# KiCad board Processor Board.kicad_pcb
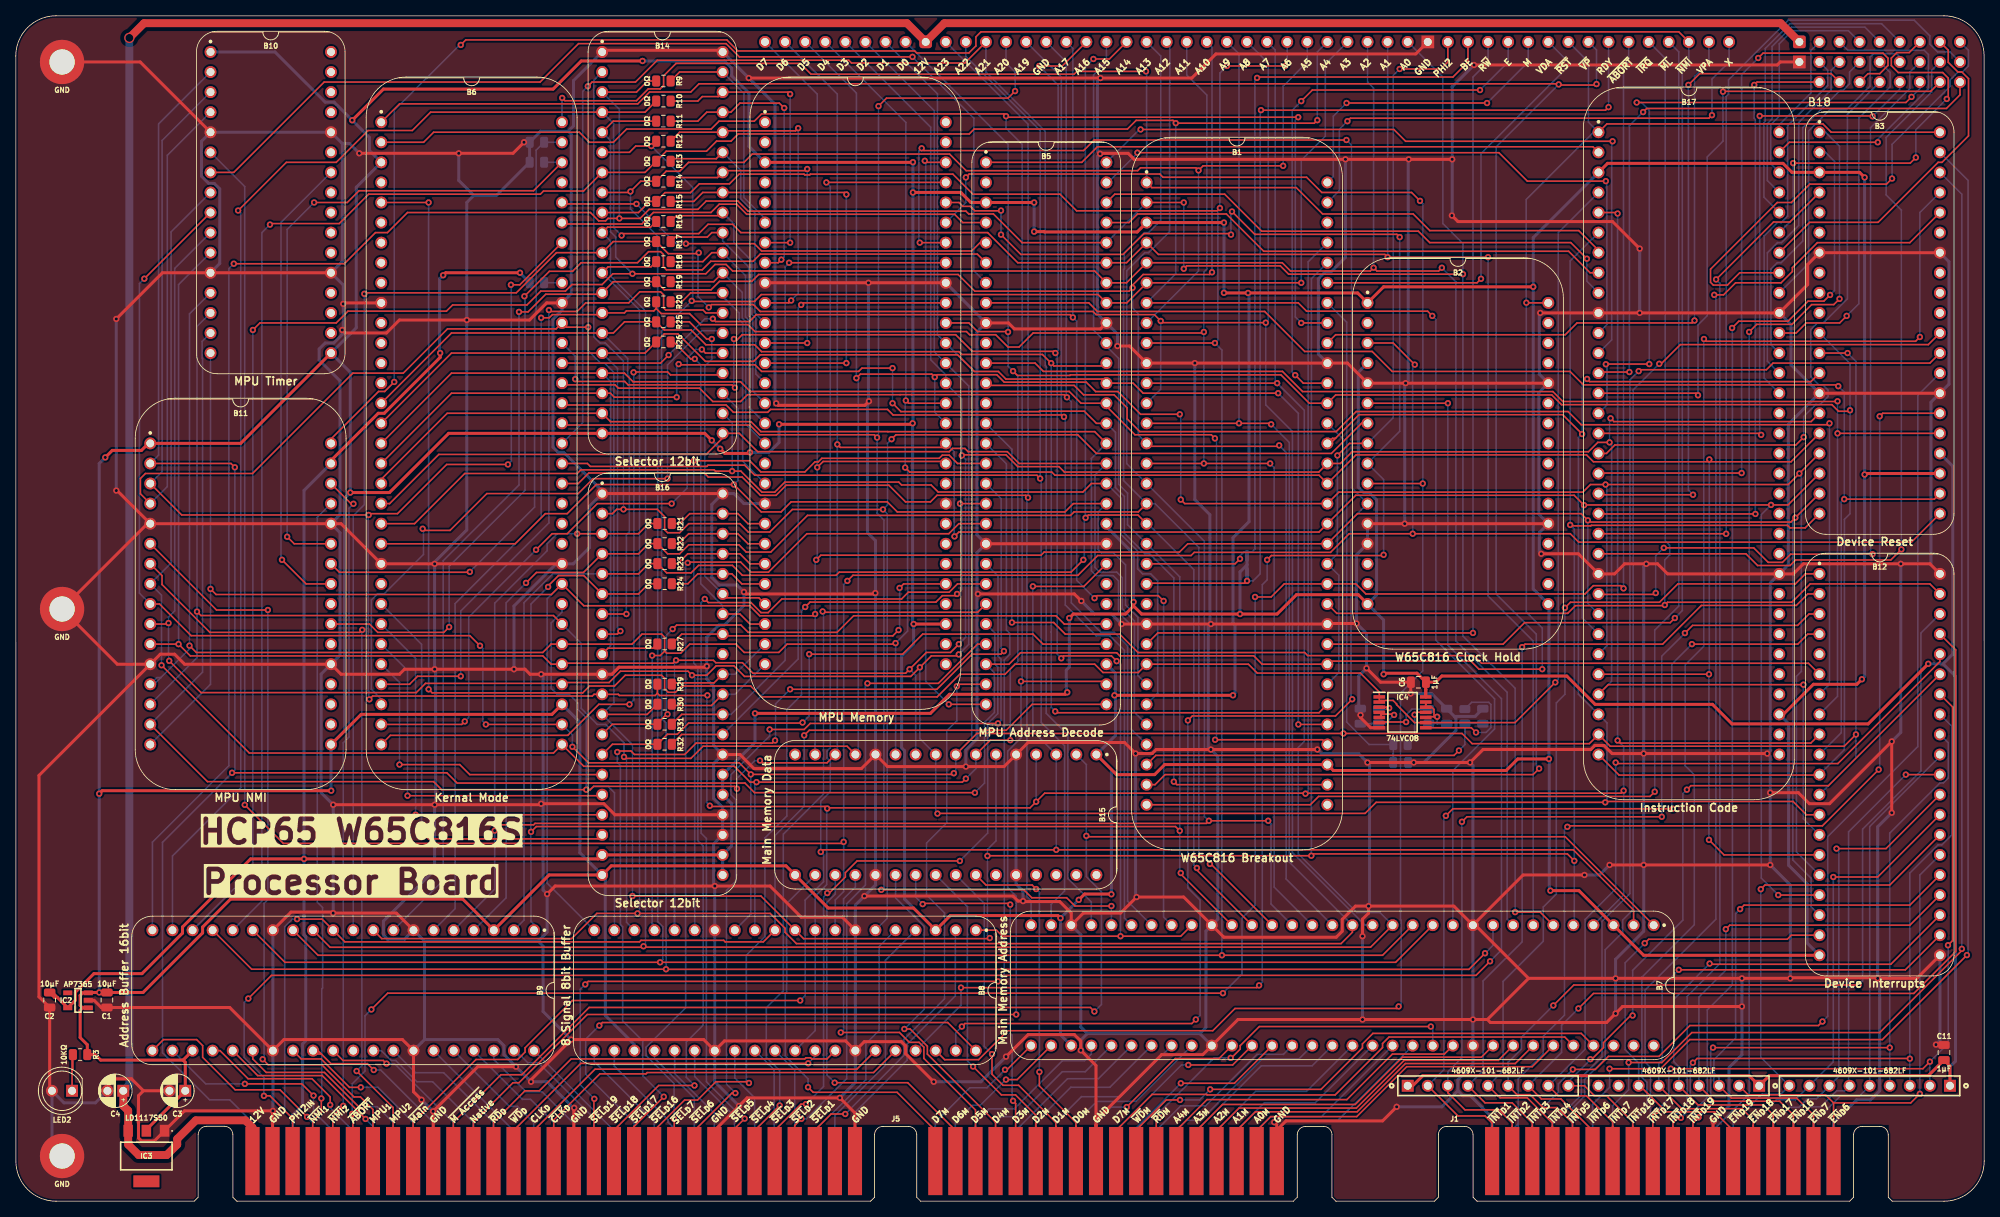
[diagram p0: board, top side]
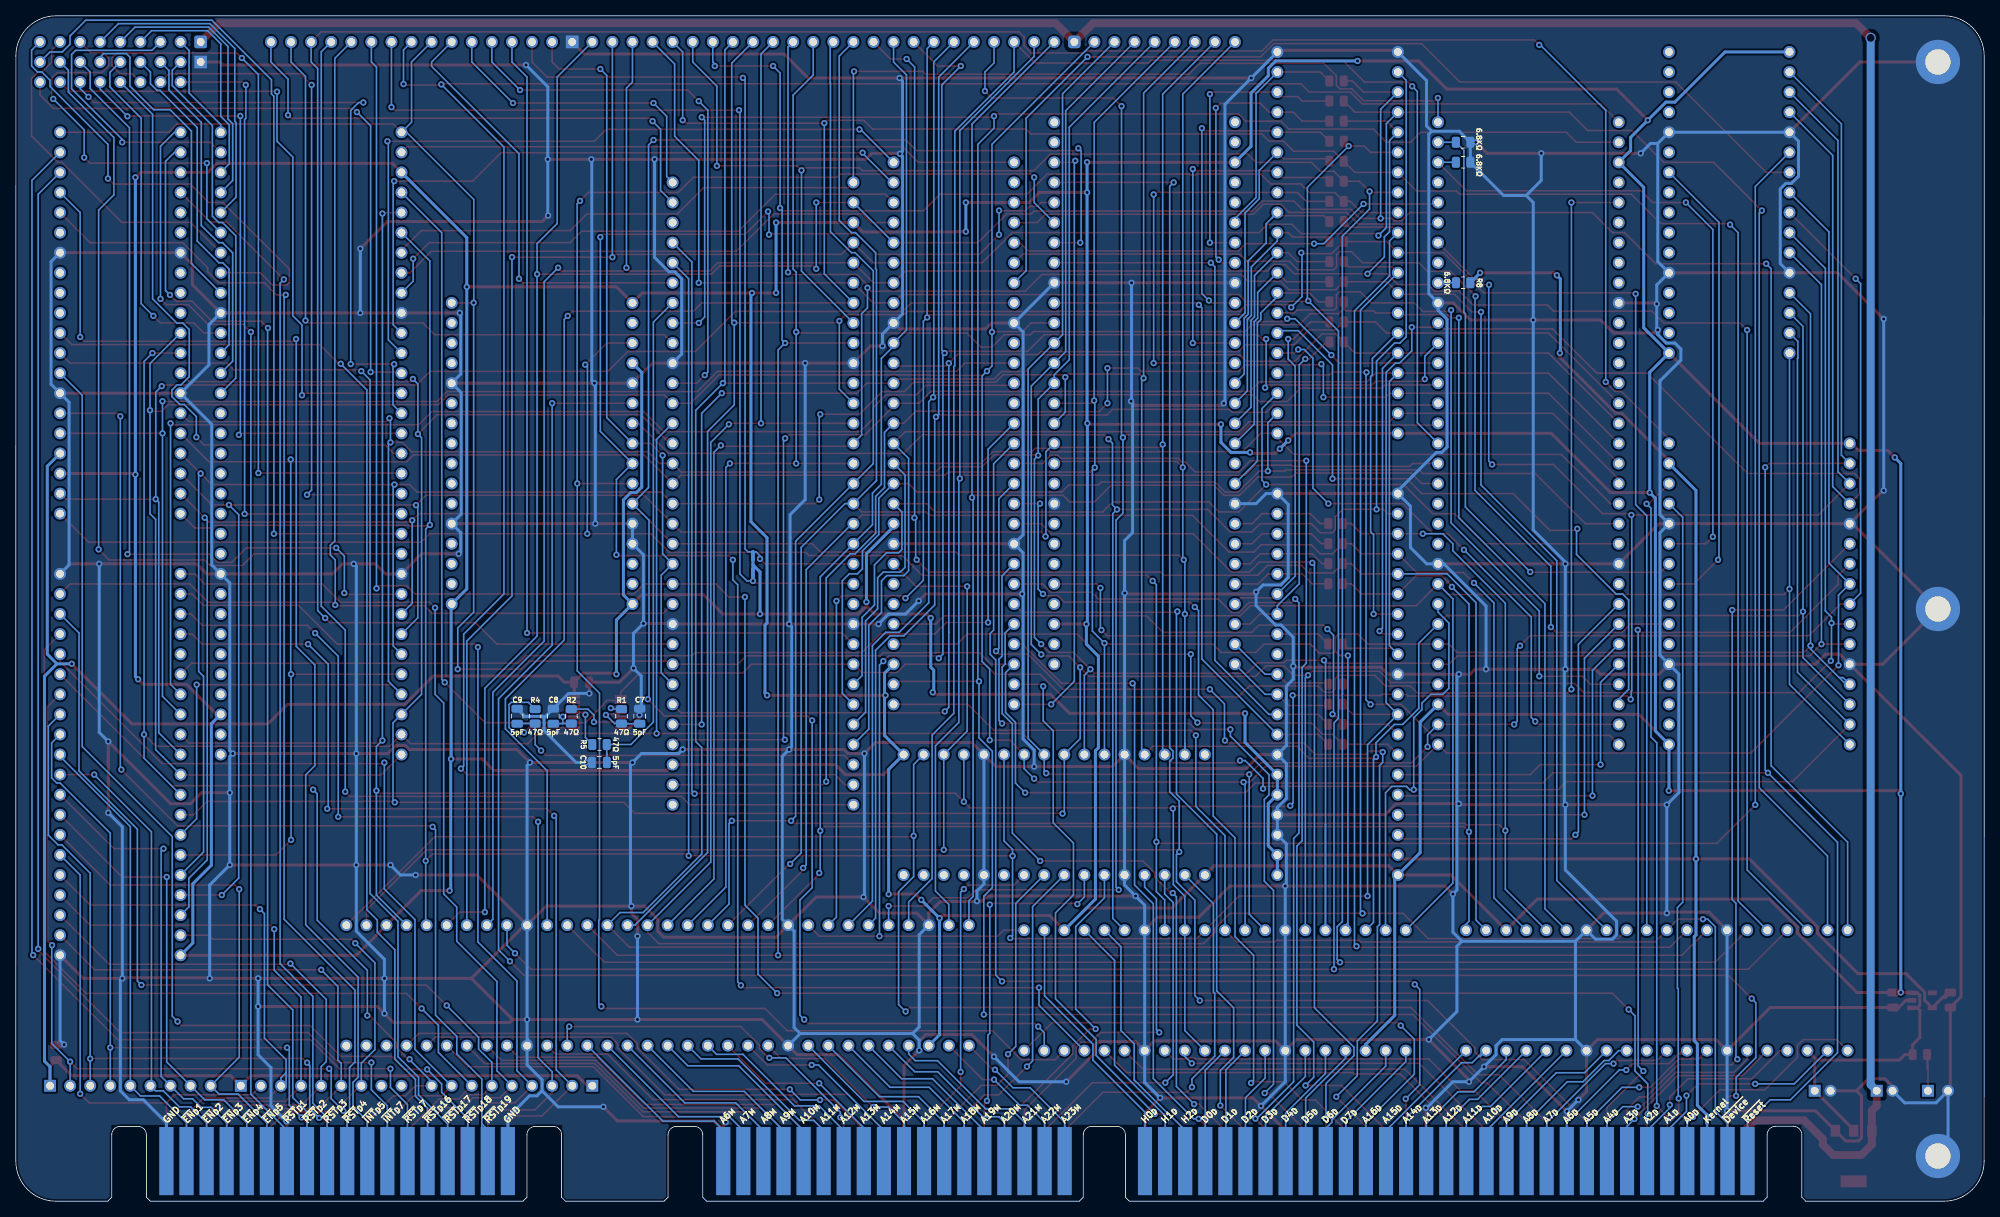
[diagram p1: board, bottom side, seen from below]

Outline 248.94 x 149.99 mm; copper layers: Top, Bottom. Coordinates in mm from the lower left corner of the outline.
Outline path: 5.09,0 arc(1.5,1.49) 0.01,5.08 0,144.91 arc(1.49,148.5) 5.08,149.99 243.85,149.99 arc(247.44,148.5) 248.93,144.91 248.94,5.08 arc(247.45,1.49) 243.86,0 237.31,0 ; 22.56,0 5.09,0 ; 179.41,0 166.95,0
Stack: Top 0.035mm / dielectric 1.51mm FR4 er 4.5 / Bottom 0.035mm

## Placement (name value [footprint] x y rotation side)
B1  W65C816 Breakout  [HCP65_W65C816_Breakout]  143.01 128.91 0 top
B2  W65C816 Clock Hold  [HCP65_W65C816_Clock_Hold]  170.95 113.67 0 top
B3  Device Reset  [HCP65_Device_Reset]  228.1 135.26 0 top
B4  MPU Memory  [HCP65_MPU_Memory]  94.75 136.53 0 top
B5  MPU Address Decode  [HCP65_MPU_Address_Decode]  122.69 131.45 0 top
B6  Kernal Mode  [HCP65_Kernal_Mode]  46.21 136.53 0 top
B7  Main Memory Address  [HCP65_Main_Memory_Address]  207.14 34.93 270 top
B8  8 Signal 8bit Data Buffer  [HCP65_Data_and_Signal_Buffer]  121.41 34.29 270 top
B9  Address Buffer 16bit  [HCP65_Address_Buffer_16bit]  65.53 34.29 270 top
B10  MPU Timer  [HCP65_MPU_Timer]  24.62 145.42 0 top
B11  MPU NMI  [HCP65_MPU_NMI]  17 95.89 0 top
B12  Device Interrupts  [HCP65_Device_Interrupts]  228.1 79.38 0 top
B13  ~  [HCP65_W65C816_Debug_Display]  94.75 146.69 0 top
B14  Selector 12bit  [HCP65_Selector_12bit]  74.15 145.42 0 top
B15  Main Memory Data  [HCP65_Main_Memory_Data]  136.66 56.52 270 top
B16  Selector 12bit  [HCP65_Selector_12bit]  74.15 89.54 0 top
B17  Instruction Code  [HCP65_Instruction_Code]  200.16 135.26 0 top
B18  ~  [HCP65_W65C816_Debug_Instruction]  228.1 141.61 0 top
C1  10µF  [C_0805]  11.52 25.47 180 top
C2  10µF  [C_0805]  4.28 25.47 180 top
C3  100μF  [CP_Radial_D4.0mm_P2.00mm]  21.43 13.97 180 top
C4  10μF  [CP_Radial_D4.0mm_P2.00mm]  13.59 13.97 180 top
C6  1μF  [C_0805]  177.4 65.67 90 top
C7  5pF  [C_0805]  170.04 61.35 180 bottom
C8  5pF  [C_0805]  180.96 61.35 180 bottom
C9  5pF  [C_0805]  185.53 61.35 180 bottom
C10  5pF  [C_0805]  175.12 55.51 90 bottom
C11  1μF  [C_0805]  243.85 18.8 0 top
H8  MountingHole_Pad  [HCP65_MountingHole_M3_]  5.85 144.15 0 top
H9  MountingHole_Pad  [HCP65_MountingHole_M3_]  5.85 5.72 0 top
H16  MountingHole_Pad  [HCP65_MountingHole_M3_]  5.85 74.93 0 top
IC2  AP7365-33WG-7  [SOT95P285X130-5N]  7.87 25.41 180 top
IC3  LD1117S50C  [LD1117S33C]  16.51 5.72 180 top
IC4  74LVC08APW,112  [SOP65P640X110-14N]  175.37 61.86 0 top
J1  2-5530843-7  [36pin Edge Connector]  179.41 0 0 top
J5  395-098-520-350  [98pin Edge Connector]  22.56 0 0 top
LED2  Red  [LED_D5.0mm]  7.11 13.97 180 top
NT1  NetTie  [NetTie-2_SMD_Pad0.5mm]  35.05 10.41 90 bottom
NT2  NetTie  [NetTie-2_SMD_Pad0.5mm]  155.71 79.5 90 bottom
NT3  NetTie  [NetTie-2_SMD_Pad0.5mm]  155.71 81.66 270 bottom
R1  47Ω  [R_0805]  172.32 61.35 180 bottom
R2  47Ω  [R_0805]  178.67 61.35 180 bottom
R3  10KΩ  [R_0805]  8.13 18.54 270 top
R4  47Ω  [R_0805]  183.25 61.35 180 bottom
R5  47Ω  [R_0805]  175.12 57.8 90 bottom
R6  6.8KΩ  [R_0805]  65.9 131.45 270 bottom
R7  6.8KΩ  [R_0805]  65.9 133.98 270 bottom
R8  6.8KΩ  [R_0805]  65.9 116.21 270 bottom
R9  0Ω  [R_0805]  81.9 141.73 270 top
R10  0Ω  [R_0805]  81.9 139.19 270 top
R11  0Ω  [R_0805]  81.9 136.65 270 top
R12  0Ω  [R_0805]  81.9 134.11 270 top
R13  0Ω  [R_0805]  81.9 131.57 270 top
R14  0Ω  [R_0805]  81.9 129.04 270 top
R15  0Ω  [R_0805]  81.9 126.49 270 top
R16  0Ω  [R_0805]  81.9 123.95 270 top
R17  0Ω  [R_0805]  81.9 121.41 270 top
R18  0Ω  [R_0805]  81.9 118.87 270 top
R19  0Ω  [R_0805]  81.9 116.33 270 top
R20  0Ω  [R_0805]  81.9 113.79 270 top
R21  0Ω  [R_0805]  82.05 85.74 270 top
R22  0Ω  [R_0805]  82.05 83.2 270 top
R23  0Ω  [R_0805]  82.05 80.67 270 top
R24  0Ω  [R_0805]  82.05 78.12 270 top
R25  0Ω  [R_0805]  81.9 111.25 270 top
R26  0Ω  [R_0805]  81.9 108.71 270 top
R27  0Ω  [R_0805]  82.05 70.5 270 top
R29  0Ω  [R_0805]  82.05 65.42 270 top
R30  0Ω  [R_0805]  82.05 62.88 270 top
R31  0Ω  [R_0805]  82.05 60.34 270 top
R32  0Ω  [R_0805]  82.05 57.81 270 top
RN7  4609X-101-682LF  [4609X]  186.19 14.61 0 top
RN8  4609X-101-682LF  [4609X]  234.45 14.61 180 top
RN9  4609X-101-682LF  [4609X]  210.32 14.61 180 top

## Library data of the parts
B8 = -: Description: 8 Signal 8bit Buffer; Silkscreen: 8 Signal 8bit Buffer
C1 C2 C6-C10 = -: Garbage: Unpolarized capacitor, small symbol; ki_fp_filters: C_*
C3 C4 = -: ki_fp_filters: CP_*
C11 = -: ki_fp_filters: C_*
H8 H9 H16 = -: Garbage: Mounting Hole with connection; ki_fp_filters: MountingHole*Pad*
IC2 = -: Datasheet: https://componentsearchengine.com/Datasheets/1/AP7365-33WG-7.pdf; Description: 3.3V LDO voltage regulator; Arrow Price/Stock: https://www.arrow.com/en/products/ap7365-33wg-7/diodes-incorporated?region=nac; Height: 1.3; Manufacturer_Name: Diodes Inc.; Mouser Part Number: 621-AP7365-33WG-7; Mouser Price/Stock: https://www.mouser.co.uk/ProductDetail/Diodes-Incorporated/AP7365-33WG-7?qs=abZ1nkZpTuOZFvxvoFPL0w%3D%3D; Silkscreen: AP7365; Garbage: DiodesZetex AP7365-33WG-7, LDO Voltage Regulator, 600mA, 3.3 V +/-2%, 2  6 Vin, 5-Pin SOT-25
IC3 = -: Datasheet: https://www.st.com/resource/en/datasheet/ld1117.pdf; Description: IC: voltage regulator; LDO, linear, fixed; 5.0V; 0.95A; SOT223; SMD; Height: 1.8; Manufacturer_Name: STMicroelectronics; Silkscreen: LD1117S50; Garbage: IC: voltage regulator; LDO, linear, fixed; 5.0V; 0.95A; SOT223; SMD
IC4 = -: Datasheet: https://assets.nexperia.com/documents/data-sheet/74LVC08A.pdf; Description: 2-input AND gate; Height: 1.1; Manufacturer_Name: Nexperia; Mouser Part Number: 771-74LVC08APW; Mouser Price/Stock: https://www.mouser.com/Search/Refine.aspx?Keyword=771-74LVC08APW; Silkscreen: 74LVC08; Garbage: NXP 74LVC08APW,112, Quad 2-Input AND Logic Gate, 1.2  3.6 V, 14-Pin TSSOP
J1 = -: Datasheet: https://datasheet.datasheetarchive.com/originals/distributors/Datasheets-DGA8/2558532.pdf; Description: Standard Card Edge Connectors CONN SEC II 36 POS 100C/L; Arrow Price/Stock: https://www.arrow.com/en/products/2-5530843-7/te-connectivity; Height: 15.494; Manufacturer_Name: TE Connectivity; Mouser Part Number: 571-2-5530843-7; Mouser Price/Stock: https://www.mouser.co.uk/ProductDetail/TE-Connectivity/2-5530843-7?qs=D%2FjeFm%2FW2iQ%2FxNvh55mqEQ%3D%3D; Garbage: Standard Card Edge Connectors CONN SEC II 36 POS 100C/L
J5 = -: Datasheet: https://media.digikey.com/pdf/Data%20Sheets/EDAC%20PDFs/395-098-520-350.pdf; Description: Standard Card Edge Connectors 98P Solder Tail 5.08mm ROW SPACE; Height: 15.4; Manufacturer_Name: EDAC; Mouser Part Number: 587-395-098-520-350; Mouser Price/Stock: https://www.mouser.co.uk/ProductDetail/EDAC/395-098-520-350?qs=U4pz39agNJAWEyGruTa5gg%3D%3D; Garbage: Standard Card Edge Connectors 98P Solder Tail 5.08mm ROW SPACE
LED2 = -: ki_fp_filters: LED* LED_SMD:* LED_THT:*
RN7-RN9 = -: Datasheet: http://www.bourns.com/pdfs/4600X.pdf; Description: 6.8KΩ 8-bus resistor; Manufacturer_Name: Bourns; Mouser Part Number: 652-4609X-1LF-6.8K; Mouser Price/Stock: https://www.mouser.co.uk/ProductDetail/Bourns/4609X-101-472LF/?qs=6yLoizYthp6x52D9SeHB4A%3D%3D

## Footprints (pads in the part's own frame, mm; a bottom-side part is the same pattern mirrored in y, then rotated)
36pin Edge Connector
  rect 1.78x8.62 smd: 1(7.3,5.08) 3(9.84,5.08) 5(12.38,5.08) 7(14.92,5.08) 9(17.46,5.08) 11(20,5.08) 13(22.54,5.08) 15(25.08,5.08) 17(27.62,5.08) 19(30.16,5.08) 21(32.7,5.08) 23(35.24,5.08) 25(37.78,5.08) 27(40.32,5.08) 29(42.86,5.08) 31(45.4,5.08) 33(47.94,5.08) 35(50.48,5.08)
  rect 1.78x8.62 smd far side: 2(7.3,5.08) 4(9.84,5.08) 6(12.38,5.08) 8(14.92,5.08) 10(17.46,5.08) 12(20,5.08) 14(22.54,5.08) 16(25.08,5.08) 18(27.62,5.08) 20(30.16,5.08) 22(32.7,5.08) 24(35.24,5.08) 26(37.78,5.08) 28(40.32,5.08) 30(42.86,5.08) 32(45.4,5.08) 34(47.94,5.08) 36(50.48,5.08)
98pin Edge Connector
  rect 1.78x8.62 smd far side: A1(7.366,5.08) A2(9.906,5.08) A3(12.446,5.08) A4(14.986,5.08) A5(17.526,5.08) A6(20.066,5.08) A7(22.606,5.08) A8(25.146,5.08) A9(27.686,5.08) A10(30.226,5.08) A11(32.766,5.08) A12(35.306,5.08) A13(37.846,5.08) A14(40.386,5.08) A15(42.926,5.08) A16(45.466,5.08) A17(48.006,5.08) A18(50.546,5.08) A19(53.086,5.08) A20(55.626,5.08) A21(58.166,5.08) A22(60.706,5.08) A23(63.246,5.08) A24(65.786,5.08) A25(68.326,5.08) A26(70.866,5.08) A27(73.406,5.08) A28(75.946,5.08) A29(78.486,5.08) A30(81.026,5.08) A31(83.566,5.08) C1(93.726,5.08) C2(96.266,5.08) C3(98.806,5.08) C4(101.346,5.08) C5(103.886,5.08) C6(106.426,5.08) C7(108.966,5.08) C8(111.506,5.08) C9(114.046,5.08) C10(116.586,5.08) C11(119.126,5.08) C12(121.666,5.08) C13(124.206,5.08) C14(126.746,5.08) C15(129.286,5.08) C16(131.826,5.08) C17(134.366,5.08) C18(136.906,5.08)
  rect 1.78x8.62 smd: B1(7.366,5.08) B2(9.906,5.08) B3(12.446,5.08) B4(14.986,5.08) B5(17.526,5.08) B6(20.066,5.08) B7(22.606,5.08) B8(25.146,5.08) B9(27.686,5.08) B10(30.226,5.08) B11(32.766,5.08) B12(35.306,5.08) B13(37.846,5.08) B14(40.386,5.08) B15(42.926,5.08) B16(45.466,5.08) B17(48.006,5.08) B18(50.546,5.08) B19(53.086,5.08) B20(55.626,5.08) B21(58.166,5.08) B22(60.706,5.08) B23(63.246,5.08) B24(65.786,5.08) B25(68.326,5.08) B26(70.866,5.08) B27(73.406,5.08) B28(75.946,5.08) B29(78.486,5.08) B30(81.026,5.08) B31(83.566,5.08) D1(93.726,5.08) D2(96.266,5.08) D3(98.806,5.08) D4(101.346,5.08) D5(103.886,5.08) D6(106.426,5.08) D7(108.966,5.08) D8(111.506,5.08) D9(114.046,5.08) D10(116.586,5.08) D11(119.126,5.08) D12(121.666,5.08) D13(124.206,5.08) D14(126.746,5.08) D15(129.286,5.08) D16(131.826,5.08) D17(134.366,5.08) D18(136.906,5.08)
4609X
  rect 1.5x1.5 hole 1: 1(-10.16,0)
  round 1.5 hole 1: 2(-7.62,0) 3(-5.08,0) 4(-2.54,0) 5(0,0) 6(2.54,0) 7(5.08,0) 8(7.62,0) 9(10.16,0)
C_0805
  rrect 1.45x1 smd: 1(0,-0.934) 2(0,0.966)
CP_Radial_D4.0mm_P2.00mm
  rect 1.5x1.5 hole 1: 1(0,0)
  round 1.5 hole 1: 2(2,0)
HCP65_Address_Buffer_16bit
  round 1.5 hole 1: 1(0,0) 2(0,-2.54) 3(0,-5.08) 4(0,-7.62) 5(0,-10.16) 6(0,-12.7) 7(0,-15.24) 8(0,-17.78) 9(0,-20.32) 10(0,-22.86) 11(0,-25.4) 12(0,-27.94) 13(0,-30.48) 14(0,-33.02) 15(0,-35.56) 16(0,-38.1) 17(0,-40.64) 18(0,-43.18) 19(0,-45.72) 20(0,-48.26) 21(15.24,-48.26) 22(15.24,-45.72) 23(15.24,-43.18) 24(15.24,-40.64) 25(15.24,-38.1) 26(15.24,-35.56) 27(15.24,-33.02) 28(15.24,-30.48) 29(15.24,-27.94) 30(15.24,-25.4) 31(15.24,-22.86) 32(15.24,-20.32) 33(15.24,-17.78) 34(15.24,-15.24) 35(15.24,-12.7) 36(15.24,-10.16) 37(15.24,-7.62) 38(15.24,-5.08) 39(15.24,-2.54) 40(15.24,0)
HCP65_Data_and_Signal_Buffer
  round 1.5 hole 1: 1(0,0) 2(0,-2.54) 3(0,-5.08) 4(0,-7.62) 5(0,-10.16) 6(0,-12.7) 7(0,-15.24) 8(0,-17.78) 9(0,-20.32) 10(0,-22.86) 11(0,-25.4) 12(0,-27.94) 13(0,-30.48) 14(0,-33.02) 15(0,-35.56) 16(0,-38.1) 17(0,-40.64) 18(0,-43.18) 19(0,-45.72) 20(0,-48.26) 21(15.24,-48.26) 22(15.24,-45.72) 23(15.24,-43.18) 24(15.24,-40.64) 25(15.24,-38.1) 26(15.24,-35.56) 27(15.24,-33.02) 28(15.24,-30.48) 29(15.24,-27.94) 30(15.24,-25.4) 31(15.24,-22.86) 32(15.24,-20.32) 33(15.24,-17.78) 34(15.24,-15.24) 35(15.24,-12.7) 36(15.24,-10.16) 37(15.24,-7.62) 38(15.24,-5.08) 39(15.24,-2.54) 40(15.24,0)
HCP65_Device_Interrupts
  round 1.5 hole 1: 1(0,0) 2(0,-2.54) 3(0,-5.08) 4(0,-7.62) 5(0,-10.16) 6(0,-12.7) 7(0,-15.24) 8(0,-17.78) 9(0,-20.32) 10(0,-22.86) 11(0,-25.4) 12(0,-27.94) 13(0,-30.48) 14(0,-33.02) 15(0,-35.56) 16(0,-38.1) 17(0,-40.64) 18(0,-43.18) 19(0,-45.72) 20(0,-48.26) 21(15.24,-48.26) 22(15.24,-45.72) 23(15.24,-43.18) 24(15.24,-40.64) 25(15.24,-38.1) 26(15.24,-35.56) 27(15.24,-33.02) 28(15.24,-30.48) 29(15.24,-27.94) 30(15.24,-25.4) 31(15.24,-22.86) 32(15.24,-20.32) 33(15.24,-17.78) 34(15.24,-15.24) 35(15.24,-12.7) 36(15.24,-10.16) 37(15.24,-7.62) 38(15.24,-5.08) 39(15.24,-2.54) 40(15.24,0)
HCP65_Device_Reset
  round 1.5 hole 1: 1(0,0) 2(0,-2.54) 3(0,-5.08) 4(0,-7.62) 5(0,-10.16) 6(0,-12.7) 7(0,-15.24) 8(0,-17.78) 9(0,-20.32) 10(0,-22.86) 11(0,-25.4) 12(0,-27.94) 13(0,-30.48) 14(0,-33.02) 15(0,-35.56) 16(0,-38.1) 17(0,-40.64) 18(0,-43.18) 19(0,-45.72) 20(0,-48.26) 21(15.24,-48.26) 22(15.24,-45.72) 23(15.24,-43.18) 24(15.24,-40.64) 25(15.24,-38.1) 26(15.24,-35.56) 27(15.24,-33.02) 28(15.24,-30.48) 29(15.24,-27.94) 30(15.24,-25.4) 31(15.24,-22.86) 32(15.24,-20.32) 33(15.24,-17.78) 34(15.24,-15.24) 35(15.24,-12.7) 36(15.24,-10.16) 37(15.24,-7.62) 38(15.24,-5.08) 39(15.24,-2.54) 40(15.24,0)
HCP65_Instruction_Code
  round 1.5 hole 1: 1(0,0) 2(0,-2.54) 3(0,-5.08) 4(0,-7.62) 5(0,-10.16) 6(0,-12.7) 7(0,-15.24) 8(0,-17.78) 9(0,-20.32) 10(0,-22.86) 11(0,-25.4) 12(0,-27.94) 13(0,-30.48) 14(0,-33.02) 15(0,-35.56) 16(0,-38.1) 17(0,-40.64) 18(0,-43.18) 19(0,-45.72) 20(0,-48.26) 21(0,-50.8) 22(0,-53.34) 23(0,-55.88) 24(0,-58.42) 25(0,-60.96) 26(0,-63.5) 27(0,-66.04) 28(0,-68.58) 29(0,-71.12) 30(0,-73.66) 31(0,-76.2) 32(0,-78.74) 33(22.86,-78.74) 34(22.86,-76.2) 35(22.86,-73.66) 36(22.86,-71.12) 37(22.86,-68.58) 38(22.86,-66.04) 39(22.86,-63.5) 40(22.86,-60.96) 41(22.86,-58.42) 42(22.86,-55.88) 43(22.86,-53.34) 44(22.86,-50.8) 45(22.86,-48.26) 46(22.86,-45.72) 47(22.86,-43.18) 48(22.86,-40.64) 49(22.86,-38.1) 50(22.86,-35.56) 51(22.86,-33.02) 52(22.86,-30.48) 53(22.86,-27.94) 54(22.86,-25.4) 55(22.86,-22.86) 56(22.86,-20.32) 57(22.86,-17.78) 58(22.86,-15.24) 59(22.86,-12.7) 60(22.86,-10.16) 61(22.86,-7.62) 62(22.86,-5.08) 63(22.86,-2.54) 64(22.86,0)
HCP65_Kernal_Mode
  round 1.5 hole 1: 1(0,0) 2(0,-2.54) 3(0,-5.08) 4(0,-7.62) 5(0,-10.16) 6(0,-12.7) 7(0,-15.24) 8(0,-17.78) 9(0,-20.32) 10(0,-22.86) 11(0,-25.4) 12(0,-27.94) 13(0,-30.48) 14(0,-33.02) 15(0,-35.56) 16(0,-38.1) 17(0,-40.64) 18(0,-43.18) 19(0,-45.72) 20(0,-48.26) 21(0,-50.8) 22(0,-53.34) 23(0,-55.88) 24(0,-58.42) 25(0,-60.96) 26(0,-63.5) 27(0,-66.04) 28(0,-68.58) 29(0,-71.12) 30(0,-73.66) 31(0,-76.2) 32(0,-78.74) 33(22.86,-78.74) 34(22.86,-76.2) 35(22.86,-73.66) 36(22.86,-71.12) 37(22.86,-68.58) 38(22.86,-66.04) 39(22.86,-63.5) 40(22.86,-60.96) 41(22.86,-58.42) 42(22.86,-55.88) 43(22.86,-53.34) 44(22.86,-50.8) 45(22.86,-48.26) 46(22.86,-45.72) 47(22.86,-43.18) 48(22.86,-40.64) 49(22.86,-38.1) 50(22.86,-35.56) 51(22.86,-33.02) 52(22.86,-30.48) 53(22.86,-27.94) 54(22.86,-25.4) 55(22.86,-22.86) 56(22.86,-20.32) 57(22.86,-17.78) 58(22.86,-15.24) 59(22.86,-12.7) 60(22.86,-10.16) 61(22.86,-7.62) 62(22.86,-5.08) 63(22.86,-2.54) 64(22.86,0)
HCP65_Main_Memory_Address
  round 1.5 hole 1: 1(0,0) 2(0,-2.54) 3(0,-5.08) 4(0,-7.62) 5(0,-10.16) 6(0,-12.7) 7(0,-15.24) 8(0,-17.78) 9(0,-20.32) 10(0,-22.86) 11(0,-25.4) 12(0,-27.94) 13(0,-30.48) 14(0,-33.02) 15(0,-35.56) 16(0,-38.1) 17(0,-40.64) 18(0,-43.18) 19(0,-45.72) 20(0,-48.26) 21(0,-50.8) 22(0,-53.34) 23(0,-55.88) 24(0,-58.42) 25(0,-60.96) 26(0,-63.5) 27(0,-66.04) 28(0,-68.58) 29(0,-71.12) 30(0,-73.66) 31(0,-76.2) 32(0,-78.74) 33(15.24,-78.74) 34(15.24,-76.2) 35(15.24,-73.66) 36(15.24,-71.12) 37(15.24,-68.58) 38(15.24,-66.04) 39(15.24,-63.5) 40(15.24,-60.96) 41(15.24,-58.42) 42(15.24,-55.88) 43(15.24,-53.34) 44(15.24,-50.8) 45(15.24,-48.26) 46(15.24,-45.72) 47(15.24,-43.18) 48(15.24,-40.64) 49(15.24,-38.1) 50(15.24,-35.56) 51(15.24,-33.02) 52(15.24,-30.48) 53(15.24,-27.94) 54(15.24,-25.4) 55(15.24,-22.86) 56(15.24,-20.32) 57(15.24,-17.78) 58(15.24,-15.24) 59(15.24,-12.7) 60(15.24,-10.16) 61(15.24,-7.62) 62(15.24,-5.08) 63(15.24,-2.54) 64(15.24,0)
HCP65_Main_Memory_Data
  round 1.5 hole 1: 1(0,0) 2(0,-2.54) 3(0,-5.08) 4(0,-7.62) 5(0,-10.16) 6(0,-12.7) 7(0,-15.24) 8(0,-17.78) 9(0,-20.32) 10(0,-22.86) 11(0,-25.4) 12(0,-27.94) 13(0,-30.48) 14(0,-33.02) 15(0,-35.56) 16(0,-38.1) 17(15.24,-38.1) 18(15.24,-35.56) 19(15.24,-33.02) 20(15.24,-30.48) 21(15.24,-27.94) 22(15.24,-25.4) 23(15.24,-22.86) 24(15.24,-20.32) 25(15.24,-17.78) 26(15.24,-15.24) 27(15.24,-12.7) 28(15.24,-10.16) 29(15.24,-7.62) 30(15.24,-5.08) 31(15.24,-2.54) 32(15.24,0)
HCP65_MountingHole_M3_
  round 5.6 hole 3.2: 1(0,0)
HCP65_MPU_Address_Decode
  round 1.5 hole 1: 1(0,0) 2(0,-2.54) 3(0,-5.08) 4(0,-7.62) 5(0,-10.16) 6(0,-12.7) 7(0,-15.24) 8(0,-17.78) 9(0,-20.32) 10(0,-22.86) 11(0,-25.4) 12(0,-27.94) 13(0,-30.48) 14(0,-33.02) 15(0,-35.56) 16(0,-38.1) 17(0,-40.64) 18(0,-43.18) 19(0,-45.72) 20(0,-48.26) 21(0,-50.8) 22(0,-53.34) 23(0,-55.88) 24(0,-58.42) 25(0,-60.96) 26(0,-63.5) 27(0,-66.04) 28(0,-68.58) 29(15.24,-68.58) 30(15.24,-66.04) 31(15.24,-63.5) 32(15.24,-60.96) 33(15.24,-58.42) 34(15.24,-55.88) 35(15.24,-53.34) 36(15.24,-50.8) 37(15.24,-48.26) 38(15.24,-45.72) 39(15.24,-43.18) 40(15.24,-40.64) 41(15.24,-38.1) 42(15.24,-35.56) 43(15.24,-33.02) 44(15.24,-30.48) 45(15.24,-27.94) 46(15.24,-25.4) 47(15.24,-22.86) 48(15.24,-20.32) 49(15.24,-17.78) 50(15.24,-15.24) 51(15.24,-12.7) 52(15.24,-10.16) 53(15.24,-7.62) 54(15.24,-5.08) 55(15.24,-2.54) 56(15.24,0)
HCP65_MPU_Memory
  round 1.5 hole 1: 1(0,0) 2(0,-2.54) 3(0,-5.08) 4(0,-7.62) 5(0,-10.16) 6(0,-12.7) 7(0,-15.24) 8(0,-17.78) 9(0,-20.32) 10(0,-22.86) 11(0,-25.4) 12(0,-27.94) 13(0,-30.48) 14(0,-33.02) 15(0,-35.56) 16(0,-38.1) 17(0,-40.64) 18(0,-43.18) 19(0,-45.72) 20(0,-48.26) 21(0,-50.8) 22(0,-53.34) 23(0,-55.88) 24(0,-58.42) 25(0,-60.96) 26(0,-63.5) 27(0,-66.04) 28(0,-68.58) 29(22.86,-68.58) 30(22.86,-66.04) 31(22.86,-63.5) 32(22.86,-60.96) 33(22.86,-58.42) 34(22.86,-55.88) 35(22.86,-53.34) 36(22.86,-50.8) 37(22.86,-48.26) 38(22.86,-45.72) 39(22.86,-43.18) 40(22.86,-40.64) 41(22.86,-38.1) 42(22.86,-35.56) 43(22.86,-33.02) 44(22.86,-30.48) 45(22.86,-27.94) 46(22.86,-25.4) 47(22.86,-22.86) 48(22.86,-20.32) 49(22.86,-17.78) 50(22.86,-15.24) 51(22.86,-12.7) 52(22.86,-10.16) 53(22.86,-7.62) 54(22.86,-5.08) 55(22.86,-2.54) 56(22.86,0)
HCP65_MPU_NMI
  round 1.5 hole 1: 1(0,0) 2(0,-2.54) 3(0,-5.08) 4(0,-7.62) 5(0,-10.16) 6(0,-12.7) 7(0,-15.24) 8(0,-17.78) 9(0,-20.32) 10(0,-22.86) 11(0,-25.4) 12(0,-27.94) 13(0,-30.48) 14(0,-33.02) 15(0,-35.56) 16(0,-38.1) 17(22.86,-38.1) 18(22.86,-35.56) 19(22.86,-33.02) 20(22.86,-30.48) 21(22.86,-27.94) 22(22.86,-25.4) 23(22.86,-22.86) 24(22.86,-20.32) 25(22.86,-17.78) 26(22.86,-15.24) 27(22.86,-12.7) 28(22.86,-10.16) 29(22.86,-7.62) 30(22.86,-5.08) 31(22.86,-2.54) 32(22.86,0)
HCP65_MPU_Timer
  round 1.5 hole 1: 1(0,0) 2(0,-2.54) 3(0,-5.08) 4(0,-7.62) 5(0,-10.16) 6(0,-12.7) 7(0,-15.24) 8(0,-17.78) 9(0,-20.32) 10(0,-22.86) 11(0,-25.4) 12(0,-27.94) 13(0,-30.48) 14(0,-33.02) 15(0,-35.56) 16(0,-38.1) 17(15.24,-38.1) 18(15.24,-35.56) 19(15.24,-33.02) 20(15.24,-30.48) 21(15.24,-27.94) 22(15.24,-25.4) 23(15.24,-22.86) 24(15.24,-20.32) 25(15.24,-17.78) 26(15.24,-15.24) 27(15.24,-12.7) 28(15.24,-10.16) 29(15.24,-7.62) 30(15.24,-5.08) 31(15.24,-2.54) 32(15.24,0)
HCP65_Selector_12bit
  round 1.5 hole 1: 1(0,0) 2(0,-2.54) 3(0,-5.08) 4(0,-7.62) 5(0,-10.16) 6(0,-12.7) 7(0,-15.24) 8(0,-17.78) 9(0,-20.32) 10(0,-22.86) 11(0,-25.4) 12(0,-27.94) 13(0,-30.48) 14(0,-33.02) 15(0,-35.56) 16(0,-38.1) 17(0,-40.64) 18(0,-43.18) 19(0,-45.72) 20(0,-48.26) 21(15.24,-48.26) 22(15.24,-45.72) 23(15.24,-43.18) 24(15.24,-40.64) 25(15.24,-38.1) 26(15.24,-35.56) 27(15.24,-33.02) 28(15.24,-30.48) 29(15.24,-27.94) 30(15.24,-25.4) 31(15.24,-22.86) 32(15.24,-20.32) 33(15.24,-17.78) 34(15.24,-15.24) 35(15.24,-12.7) 36(15.24,-10.16) 37(15.24,-7.62) 38(15.24,-5.08) 39(15.24,-2.54) 40(15.24,0)
HCP65_W65C816_Breakout
  round 1.5 hole 1: 1(0,0) 2(0,-2.54) 3(0,-5.08) 4(0,-7.62) 5(0,-10.16) 6(0,-12.7) 7(0,-15.24) 8(0,-17.78) 9(0,-20.32) 10(0,-22.86) 11(0,-25.4) 12(0,-27.94) 13(0,-30.48) 14(0,-33.02) 15(0,-35.56) 16(0,-38.1) 17(0,-40.64) 18(0,-43.18) 19(0,-45.72) 20(0,-48.26) 21(0,-50.8) 22(0,-53.34) 23(0,-55.88) 24(0,-58.42) 25(0,-60.96) 26(0,-63.5) 27(0,-66.04) 28(0,-68.58) 29(0,-71.12) 30(0,-73.66) 31(0,-76.2) 32(0,-78.74) 33(22.86,-78.74) 34(22.86,-76.2) 35(22.86,-73.66) 36(22.86,-71.12) 37(22.86,-68.58) 38(22.86,-66.04) 39(22.86,-63.5) 40(22.86,-60.96) 41(22.86,-58.42) 42(22.86,-55.88) 43(22.86,-53.34) 44(22.86,-50.8) 45(22.86,-48.26) 46(22.86,-45.72) 47(22.86,-43.18) 48(22.86,-40.64) 49(22.86,-38.1) 50(22.86,-35.56) 51(22.86,-33.02) 52(22.86,-30.48) 53(22.86,-27.94) 54(22.86,-25.4) 55(22.86,-22.86) 56(22.86,-20.32) 57(22.86,-17.78) 58(22.86,-15.24) 59(22.86,-12.7) 60(22.86,-10.16) 61(22.86,-7.62) 62(22.86,-5.08) 63(22.86,-2.54) 64(22.86,0)
HCP65_W65C816_Clock_Hold
  round 1.5 hole 1: 1(0,0) 2(0,-2.54) 3(0,-5.08) 4(0,-7.62) 5(0,-10.16) 6(0,-12.7) 7(0,-15.24) 8(0,-17.78) 9(0,-20.32) 10(0,-22.86) 11(0,-25.4) 12(0,-27.94) 13(0,-30.48) 14(0,-33.02) 15(0,-35.56) 16(0,-38.1) 17(22.86,-38.1) 18(22.86,-35.56) 19(22.86,-33.02) 20(22.86,-30.48) 21(22.86,-27.94) 22(22.86,-25.4) 23(22.86,-22.86) 24(22.86,-20.32) 25(22.86,-17.78) 26(22.86,-15.24) 27(22.86,-12.7) 28(22.86,-10.16) 29(22.86,-7.62) 30(22.86,-5.08) 31(22.86,-2.54) 32(22.86,0)
HCP65_W65C816_Debug_Display
  round 1.5 hole 1: 1(0,0) 2(2.54,0) 3(5.08,0) 4(7.62,0) 5(10.16,0) 6(12.7,0) 7(15.24,0) 8(17.78,0) 10(22.86,0) 11(25.4,0) 12(27.94,0) 13(30.48,0) 14(33.02,0) 15(35.56,0) 16(38.1,0) 17(40.64,0) 18(43.18,0) 19(45.72,0) 20(48.26,0) 21(50.8,0) 22(53.34,0) 23(55.88,0) 24(58.42,0) 25(60.96,0) 26(63.5,0) 27(66.04,0) 28(68.58,0) 29(71.12,0) 30(73.66,0) 31(76.2,0) 32(78.74,0) 33(81.28,0) 35(86.36,0) 36(88.9,0) 37(91.44,0) 38(93.98,0) 39(96.52,0) 40(99.06,0) 41(101.6,0) 42(104.14,0) 43(106.68,0) 44(109.22,0) 45(111.76,0) 46(114.3,0) 47(116.84,0) 48(119.38,0) 49(121.92,0)